# Allegro board LED_FIN.brd (continued)
## Placement (name value [footprint] x y rotation side) (continued)
D488  0603_LED  [0603_SINGLE]  51.25 360 0 top
D489  0603_LED  [0603_SINGLE]  53.25 360 0 top
D490  0603_LED  [0603_SINGLE]  55.25 360 0 top
D491  0603_LED  [0603_SINGLE]  57.25 360 0 top
D492  0603_LED  [0603_SINGLE]  59.25 360 0 top
D493  0603_LED  [0603_SINGLE]  61.25 360 0 top
D494  0603_LED  [0603_SINGLE]  63.25 360 0 top
D495  0603_LED  [0603_SINGLE]  65.25 360 0 top
D496  0603_LED  [0603_SINGLE]  67.25 360 0 top
D497  0603_LED  [0603_SINGLE]  69.25 360 0 top
D498  0603_LED  [0603_SINGLE]  71.25 360 0 top
D499  0603_LED  [0603_SINGLE]  73.25 360 0 top
D500  0603_LED  [0603_SINGLE]  75.25 360 0 top
D501  0603_LED  [0603_SINGLE]  77.25 360 0 top
D502  0603_LED  [0603_SINGLE]  79.25 360 0 top
D503  0603_LED  [0603_SINGLE]  81.25 360 0 top
D504  0603_LED  [0603_SINGLE]  83.25 360 0 top
D505  0603_LED  [0603_SINGLE]  85.25 360 0 top
D506  0603_LED  [0603_SINGLE]  87.25 360 0 top
D507  0603_LED  [0603_SINGLE]  89.25 360 0 top
D508  0603_LED  [0603_SINGLE]  91.25 360 0 top
D509  0603_LED  [0603_SINGLE]  93.25 360 0 top
D510  0603_LED  [0603_SINGLE]  95.25 360 0 top
D511  0603_LED  [0603_SINGLE]  37.25 358 0 top
D512  0603_LED  [0603_SINGLE]  39.25 358 0 top
D513  0603_LED  [0603_SINGLE]  41.25 358 0 top
D514  0603_LED  [0603_SINGLE]  43.25 358 0 top
D515  0603_LED  [0603_SINGLE]  45.25 358 0 top
D516  0603_LED  [0603_SINGLE]  47.25 358 0 top
D517  0603_LED  [0603_SINGLE]  49.25 358 0 top
D518  0603_LED  [0603_SINGLE]  51.25 358 0 top
D519  0603_LED  [0603_SINGLE]  53.25 358 0 top
D520  0603_LED  [0603_SINGLE]  55.25 358 0 top
D521  0603_LED  [0603_SINGLE]  57.25 358 0 top
D522  0603_LED  [0603_SINGLE]  59.25 358 0 top
D523  0603_LED  [0603_SINGLE]  61.25 358 0 top
D524  0603_LED  [0603_SINGLE]  63.25 358 0 top
D525  0603_LED  [0603_SINGLE]  65.25 358 0 top
D526  0603_LED  [0603_SINGLE]  67.25 358 0 top
D527  0603_LED  [0603_SINGLE]  69.25 358 0 top
D528  0603_LED  [0603_SINGLE]  71.25 358 0 top
D529  0603_LED  [0603_SINGLE]  73.25 358 0 top
D530  0603_LED  [0603_SINGLE]  75.25 358 0 top
D531  0603_LED  [0603_SINGLE]  77.25 358 0 top
D532  0603_LED  [0603_SINGLE]  79.25 358 0 top
D533  0603_LED  [0603_SINGLE]  81.25 358 0 top
D534  0603_LED  [0603_SINGLE]  83.25 358 0 top
D535  0603_LED  [0603_SINGLE]  85.25 358 0 top
D536  0603_LED  [0603_SINGLE]  87.25 358 0 top
D537  0603_LED  [0603_SINGLE]  89.25 358 0 top
D538  0603_LED  [0603_SINGLE]  91.25 358 0 top
D539  0603_LED  [0603_SINGLE]  93.25 358 0 top
D540  0603_LED  [0603_SINGLE]  95.25 358 0 top
D541  0603_LED  [0603_SINGLE]  37.25 356 0 top
D542  0603_LED  [0603_SINGLE]  39.25 356 0 top
D543  0603_LED  [0603_SINGLE]  41.25 356 0 top
D544  0603_LED  [0603_SINGLE]  43.25 356 0 top
D545  0603_LED  [0603_SINGLE]  45.25 356 0 top
D546  0603_LED  [0603_SINGLE]  47.25 356 0 top
D547  0603_LED  [0603_SINGLE]  49.25 356 0 top
D548  0603_LED  [0603_SINGLE]  51.25 356 0 top
D549  0603_LED  [0603_SINGLE]  53.25 356 0 top
D550  0603_LED  [0603_SINGLE]  55.25 356 0 top
D551  0603_LED  [0603_SINGLE]  57.25 356 0 top
D552  0603_LED  [0603_SINGLE]  59.25 356 0 top
D553  0603_LED  [0603_SINGLE]  61.25 356 0 top
D554  0603_LED  [0603_SINGLE]  63.25 356 0 top
D555  0603_LED  [0603_SINGLE]  65.25 356 0 top
D556  0603_LED  [0603_SINGLE]  67.25 356 0 top
D557  0603_LED  [0603_SINGLE]  69.25 356 0 top
D558  0603_LED  [0603_SINGLE]  71.25 356 0 top
D559  0603_LED  [0603_SINGLE]  73.25 356 0 top
D560  0603_LED  [0603_SINGLE]  75.25 356 0 top
D561  0603_LED  [0603_SINGLE]  77.25 356 0 top
D562  0603_LED  [0603_SINGLE]  79.25 356 0 top
D563  0603_LED  [0603_SINGLE]  81.25 356 0 top
D564  0603_LED  [0603_SINGLE]  83.25 356 0 top
D565  0603_LED  [0603_SINGLE]  85.25 356 0 top
D566  0603_LED  [0603_SINGLE]  87.25 356 0 top
D567  0603_LED  [0603_SINGLE]  89.25 356 0 top
D568  0603_LED  [0603_SINGLE]  91.25 356 0 top
D569  0603_LED  [0603_SINGLE]  93.25 356 0 top
D570  0603_LED  [0603_SINGLE]  95.25 356 0 top
D571  0603_LED  [0603_SINGLE]  37.25 354 0 top
D572  0603_LED  [0603_SINGLE]  39.25 354 0 top
D573  0603_LED  [0603_SINGLE]  41.25 354 0 top
D574  0603_LED  [0603_SINGLE]  43.25 354 0 top
D575  0603_LED  [0603_SINGLE]  45.25 354 0 top
D576  0603_LED  [0603_SINGLE]  47.25 354 0 top
D577  0603_LED  [0603_SINGLE]  49.25 354 0 top
D578  0603_LED  [0603_SINGLE]  51.25 354 0 top
D579  0603_LED  [0603_SINGLE]  53.25 354 0 top
D580  0603_LED  [0603_SINGLE]  55.25 354 0 top
D581  0603_LED  [0603_SINGLE]  57.25 354 0 top
D582  0603_LED  [0603_SINGLE]  59.25 354 0 top
D583  0603_LED  [0603_SINGLE]  61.25 354 0 top
D584  0603_LED  [0603_SINGLE]  63.25 354 0 top
D585  0603_LED  [0603_SINGLE]  65.25 354 0 top
D586  0603_LED  [0603_SINGLE]  67.25 354 0 top
D587  0603_LED  [0603_SINGLE]  69.25 354 0 top
D588  0603_LED  [0603_SINGLE]  71.25 354 0 top
D589  0603_LED  [0603_SINGLE]  73.25 354 0 top
D590  0603_LED  [0603_SINGLE]  75.25 354 0 top
D591  0603_LED  [0603_SINGLE]  77.25 354 0 top
D592  0603_LED  [0603_SINGLE]  79.25 354 0 top
D593  0603_LED  [0603_SINGLE]  81.25 354 0 top
D594  0603_LED  [0603_SINGLE]  83.25 354 0 top
D595  0603_LED  [0603_SINGLE]  85.25 354 0 top
D596  0603_LED  [0603_SINGLE]  87.25 354 0 top
D597  0603_LED  [0603_SINGLE]  89.25 354 0 top
D598  0603_LED  [0603_SINGLE]  91.25 354 0 top
D599  0603_LED  [0603_SINGLE]  93.25 354 0 top
D600  0603_LED  [0603_SINGLE]  95.25 354 0 top
D601  0603_LED  [0603_SINGLE]  37.25 352 0 top
D602  0603_LED  [0603_SINGLE]  39.25 352 0 top
D603  0603_LED  [0603_SINGLE]  41.25 352 0 top
D604  0603_LED  [0603_SINGLE]  43.25 352 0 top
D605  0603_LED  [0603_SINGLE]  45.25 352 0 top
D606  0603_LED  [0603_SINGLE]  47.25 352 0 top
D607  0603_LED  [0603_SINGLE]  49.25 352 0 top
D608  0603_LED  [0603_SINGLE]  51.25 352 0 top
D609  0603_LED  [0603_SINGLE]  53.25 352 0 top
D610  0603_LED  [0603_SINGLE]  55.25 352 0 top
D611  0603_LED  [0603_SINGLE]  57.25 352 0 top
D612  0603_LED  [0603_SINGLE]  59.25 352 0 top
D613  0603_LED  [0603_SINGLE]  61.25 352 0 top
D614  0603_LED  [0603_SINGLE]  63.25 352 0 top
D615  0603_LED  [0603_SINGLE]  65.25 352 0 top
D616  0603_LED  [0603_SINGLE]  67.25 352 0 top
D617  0603_LED  [0603_SINGLE]  69.25 352 0 top
D618  0603_LED  [0603_SINGLE]  71.25 352 0 top
D619  0603_LED  [0603_SINGLE]  73.25 352 0 top
D620  0603_LED  [0603_SINGLE]  75.25 352 0 top
D621  0603_LED  [0603_SINGLE]  77.25 352 0 top
D622  0603_LED  [0603_SINGLE]  79.25 352 0 top
D623  0603_LED  [0603_SINGLE]  81.25 352 0 top
D624  0603_LED  [0603_SINGLE]  83.25 352 0 top
D625  0603_LED  [0603_SINGLE]  85.25 352 0 top
D626  0603_LED  [0603_SINGLE]  87.25 352 0 top
D627  0603_LED  [0603_SINGLE]  89.25 352 0 top
D628  0603_LED  [0603_SINGLE]  91.25 352 0 top
D629  0603_LED  [0603_SINGLE]  93.25 352 0 top
D630  0603_LED  [0603_SINGLE]  95.25 352 0 top
D631  0603_LED  [0603_SINGLE]  37.25 350 0 top
D632  0603_LED  [0603_SINGLE]  39.25 350 0 top
D633  0603_LED  [0603_SINGLE]  41.25 350 0 top
D634  0603_LED  [0603_SINGLE]  43.25 350 0 top
D635  0603_LED  [0603_SINGLE]  45.25 350 0 top
D636  0603_LED  [0603_SINGLE]  47.25 350 0 top
D637  0603_LED  [0603_SINGLE]  49.25 350 0 top
D638  0603_LED  [0603_SINGLE]  51.25 350 0 top
D639  0603_LED  [0603_SINGLE]  53.25 350 0 top
D640  0603_LED  [0603_SINGLE]  55.25 350 0 top
D641  0603_LED  [0603_SINGLE]  57.25 350 0 top
D642  0603_LED  [0603_SINGLE]  59.25 350 0 top
D643  0603_LED  [0603_SINGLE]  61.25 350 0 top
D644  0603_LED  [0603_SINGLE]  63.25 350 0 top
D645  0603_LED  [0603_SINGLE]  65.25 350 0 top
D646  0603_LED  [0603_SINGLE]  67.25 350 0 top
D647  0603_LED  [0603_SINGLE]  69.25 350 0 top
D648  0603_LED  [0603_SINGLE]  71.25 350 0 top
D649  0603_LED  [0603_SINGLE]  73.25 350 0 top
D650  0603_LED  [0603_SINGLE]  75.25 350 0 top
D651  0603_LED  [0603_SINGLE]  77.25 350 0 top
D652  0603_LED  [0603_SINGLE]  79.25 350 0 top
D653  0603_LED  [0603_SINGLE]  81.25 350 0 top
D654  0603_LED  [0603_SINGLE]  83.25 350 0 top
D655  0603_LED  [0603_SINGLE]  85.25 350 0 top
D656  0603_LED  [0603_SINGLE]  87.25 350 0 top
D657  0603_LED  [0603_SINGLE]  89.25 350 0 top
D658  0603_LED  [0603_SINGLE]  91.25 350 0 top
D659  0603_LED  [0603_SINGLE]  93.25 350 0 top
D660  0603_LED  [0603_SINGLE]  95.25 350 0 top
D661  0603_LED  [0603_SINGLE]  37.25 348 0 top
D662  0603_LED  [0603_SINGLE]  39.25 348 0 top
D663  0603_LED  [0603_SINGLE]  41.25 348 0 top
D664  0603_LED  [0603_SINGLE]  43.25 348 0 top
D665  0603_LED  [0603_SINGLE]  45.25 348 0 top
D666  0603_LED  [0603_SINGLE]  47.25 348 0 top
D667  0603_LED  [0603_SINGLE]  49.25 348 0 top
D668  0603_LED  [0603_SINGLE]  51.25 348 0 top
D669  0603_LED  [0603_SINGLE]  53.25 348 0 top
D670  0603_LED  [0603_SINGLE]  55.25 348 0 top
D671  0603_LED  [0603_SINGLE]  57.25 348 0 top
D672  0603_LED  [0603_SINGLE]  59.25 348 0 top
D673  0603_LED  [0603_SINGLE]  61.25 348 0 top
D674  0603_LED  [0603_SINGLE]  63.25 348 0 top
D675  0603_LED  [0603_SINGLE]  65.25 348 0 top
D676  0603_LED  [0603_SINGLE]  67.25 348 0 top
D677  0603_LED  [0603_SINGLE]  69.25 348 0 top
D678  0603_LED  [0603_SINGLE]  71.25 348 0 top
D679  0603_LED  [0603_SINGLE]  73.25 348 0 top
D680  0603_LED  [0603_SINGLE]  75.25 348 0 top
D681  0603_LED  [0603_SINGLE]  77.25 348 0 top
D682  0603_LED  [0603_SINGLE]  79.25 348 0 top
D683  0603_LED  [0603_SINGLE]  81.25 348 0 top
D684  0603_LED  [0603_SINGLE]  83.25 348 0 top
D685  0603_LED  [0603_SINGLE]  85.25 348 0 top
D686  0603_LED  [0603_SINGLE]  87.25 348 0 top
D687  0603_LED  [0603_SINGLE]  89.25 348 0 top
D688  0603_LED  [0603_SINGLE]  91.25 348 0 top
D689  0603_LED  [0603_SINGLE]  93.25 348 0 top
D690  0603_LED  [0603_SINGLE]  95.25 348 0 top
D691  0603_LED  [0603_SINGLE]  37.25 346 0 top
D692  0603_LED  [0603_SINGLE]  39.25 346 0 top
D693  0603_LED  [0603_SINGLE]  41.25 346 0 top
D694  0603_LED  [0603_SINGLE]  43.25 346 0 top
D695  0603_LED  [0603_SINGLE]  45.25 346 0 top
D696  0603_LED  [0603_SINGLE]  47.25 346 0 top
D697  0603_LED  [0603_SINGLE]  49.25 346 0 top
D698  0603_LED  [0603_SINGLE]  51.25 346 0 top
D699  0603_LED  [0603_SINGLE]  53.25 346 0 top
D700  0603_LED  [0603_SINGLE]  55.25 346 0 top
D701  0603_LED  [0603_SINGLE]  57.25 346 0 top
D702  0603_LED  [0603_SINGLE]  59.25 346 0 top
D703  0603_LED  [0603_SINGLE]  61.25 346 0 top
D704  0603_LED  [0603_SINGLE]  63.25 346 0 top
D705  0603_LED  [0603_SINGLE]  65.25 346 0 top
D706  0603_LED  [0603_SINGLE]  67.25 346 0 top
D707  0603_LED  [0603_SINGLE]  69.25 346 0 top
D708  0603_LED  [0603_SINGLE]  71.25 346 0 top
D709  0603_LED  [0603_SINGLE]  73.25 346 0 top
D710  0603_LED  [0603_SINGLE]  75.25 346 0 top
D711  0603_LED  [0603_SINGLE]  77.25 346 0 top
D712  0603_LED  [0603_SINGLE]  79.25 346 0 top
D713  0603_LED  [0603_SINGLE]  81.25 346 0 top
D714  0603_LED  [0603_SINGLE]  83.25 346 0 top
D715  0603_LED  [0603_SINGLE]  85.25 346 0 top
D716  0603_LED  [0603_SINGLE]  87.25 346 0 top
D717  0603_LED  [0603_SINGLE]  89.25 346 0 top
D718  0603_LED  [0603_SINGLE]  91.25 346 0 top
D719  0603_LED  [0603_SINGLE]  93.25 346 0 top
D720  0603_LED  [0603_SINGLE]  95.25 346 0 top
D721  0603_LED  [0603_SINGLE]  37.25 344 0 top
D722  0603_LED  [0603_SINGLE]  39.25 344 0 top
D723  0603_LED  [0603_SINGLE]  41.25 344 0 top
D724  0603_LED  [0603_SINGLE]  43.25 344 0 top
D725  0603_LED  [0603_SINGLE]  45.25 344 0 top
D726  0603_LED  [0603_SINGLE]  47.25 344 0 top
D727  0603_LED  [0603_SINGLE]  49.25 344 0 top
D728  0603_LED  [0603_SINGLE]  51.25 344 0 top
D729  0603_LED  [0603_SINGLE]  53.25 344 0 top
D730  0603_LED  [0603_SINGLE]  55.25 344 0 top
D731  0603_LED  [0603_SINGLE]  57.25 344 0 top
D732  0603_LED  [0603_SINGLE]  59.25 344 0 top
D733  0603_LED  [0603_SINGLE]  61.25 344 0 top
D734  0603_LED  [0603_SINGLE]  63.25 344 0 top
D735  0603_LED  [0603_SINGLE]  65.25 344 0 top
D736  0603_LED  [0603_SINGLE]  67.25 344 0 top
D737  0603_LED  [0603_SINGLE]  69.25 344 0 top
D738  0603_LED  [0603_SINGLE]  71.25 344 0 top
D739  0603_LED  [0603_SINGLE]  73.25 344 0 top
D740  0603_LED  [0603_SINGLE]  75.25 344 0 top
D741  0603_LED  [0603_SINGLE]  77.25 344 0 top
D742  0603_LED  [0603_SINGLE]  79.25 344 0 top
D743  0603_LED  [0603_SINGLE]  81.25 344 0 top
D744  0603_LED  [0603_SINGLE]  83.25 344 0 top
D745  0603_LED  [0603_SINGLE]  85.25 344 0 top
D746  0603_LED  [0603_SINGLE]  87.25 344 0 top
D747  0603_LED  [0603_SINGLE]  89.25 344 0 top
D748  0603_LED  [0603_SINGLE]  91.25 344 0 top
D749  0603_LED  [0603_SINGLE]  93.25 344 0 top
D750  0603_LED  [0603_SINGLE]  95.25 344 0 top
D751  0603_LED  [0603_SINGLE]  37.25 342 0 top
D752  0603_LED  [0603_SINGLE]  39.25 342 0 top
D753  0603_LED  [0603_SINGLE]  41.25 342 0 top
D754  0603_LED  [0603_SINGLE]  43.25 342 0 top
D755  0603_LED  [0603_SINGLE]  45.25 342 0 top
D756  0603_LED  [0603_SINGLE]  47.25 342 0 top
D757  0603_LED  [0603_SINGLE]  49.25 342 0 top
D758  0603_LED  [0603_SINGLE]  51.25 342 0 top
D759  0603_LED  [0603_SINGLE]  53.25 342 0 top
D760  0603_LED  [0603_SINGLE]  55.25 342 0 top
D761  0603_LED  [0603_SINGLE]  57.25 342 0 top
D762  0603_LED  [0603_SINGLE]  59.25 342 0 top
D763  0603_LED  [0603_SINGLE]  61.25 342 0 top
D764  0603_LED  [0603_SINGLE]  63.25 342 0 top
D765  0603_LED  [0603_SINGLE]  65.25 342 0 top
D766  0603_LED  [0603_SINGLE]  67.25 342 0 top
D767  0603_LED  [0603_SINGLE]  69.25 342 0 top
D768  0603_LED  [0603_SINGLE]  71.25 342 0 top
D769  0603_LED  [0603_SINGLE]  73.25 342 0 top
D770  0603_LED  [0603_SINGLE]  75.25 342 0 top
D771  0603_LED  [0603_SINGLE]  77.25 342 0 top
D772  0603_LED  [0603_SINGLE]  79.25 342 0 top
D773  0603_LED  [0603_SINGLE]  81.25 342 0 top
D774  0603_LED  [0603_SINGLE]  83.25 342 0 top
D775  0603_LED  [0603_SINGLE]  85.25 342 0 top
D776  0603_LED  [0603_SINGLE]  87.25 342 0 top
D777  0603_LED  [0603_SINGLE]  89.25 342 0 top
D778  0603_LED  [0603_SINGLE]  91.25 342 0 top
D779  0603_LED  [0603_SINGLE]  93.25 342 0 top
D780  0603_LED  [0603_SINGLE]  95.25 342 0 top
D781  0603_LED  [0603_SINGLE]  37.25 340 0 top
D782  0603_LED  [0603_SINGLE]  39.25 340 0 top
D783  0603_LED  [0603_SINGLE]  41.25 340 0 top
D784  0603_LED  [0603_SINGLE]  43.25 340 0 top
D785  0603_LED  [0603_SINGLE]  45.25 340 0 top
D786  0603_LED  [0603_SINGLE]  47.25 340 0 top
D787  0603_LED  [0603_SINGLE]  49.25 340 0 top
D788  0603_LED  [0603_SINGLE]  51.25 340 0 top
D789  0603_LED  [0603_SINGLE]  53.25 340 0 top
D790  0603_LED  [0603_SINGLE]  55.25 340 0 top
D791  0603_LED  [0603_SINGLE]  57.25 340 0 top
D792  0603_LED  [0603_SINGLE]  59.25 340 0 top
D793  0603_LED  [0603_SINGLE]  61.25 340 0 top
D794  0603_LED  [0603_SINGLE]  63.25 340 0 top
D795  0603_LED  [0603_SINGLE]  65.25 340 0 top
D796  0603_LED  [0603_SINGLE]  67.25 340 0 top
D797  0603_LED  [0603_SINGLE]  69.25 340 0 top
D798  0603_LED  [0603_SINGLE]  71.25 340 0 top
D799  0603_LED  [0603_SINGLE]  73.25 340 0 top
D800  0603_LED  [0603_SINGLE]  75.25 340 0 top
D801  0603_LED  [0603_SINGLE]  77.25 340 0 top
D802  0603_LED  [0603_SINGLE]  79.25 340 0 top
D803  0603_LED  [0603_SINGLE]  81.25 340 0 top
D804  0603_LED  [0603_SINGLE]  83.25 340 0 top
D805  0603_LED  [0603_SINGLE]  85.25 340 0 top
D806  0603_LED  [0603_SINGLE]  87.25 340 0 top
D807  0603_LED  [0603_SINGLE]  89.25 340 0 top
D808  0603_LED  [0603_SINGLE]  91.25 340 0 top
D809  0603_LED  [0603_SINGLE]  93.25 340 0 top
D810  0603_LED  [0603_SINGLE]  95.25 340 0 top
D811  0603_LED  [0603_SINGLE]  37.25 338 0 top
D812  0603_LED  [0603_SINGLE]  39.25 338 0 top
D813  0603_LED  [0603_SINGLE]  41.25 338 0 top
D814  0603_LED  [0603_SINGLE]  43.25 338 0 top
D815  0603_LED  [0603_SINGLE]  45.25 338 0 top
D816  0603_LED  [0603_SINGLE]  47.25 338 0 top
D817  0603_LED  [0603_SINGLE]  49.25 338 0 top
D818  0603_LED  [0603_SINGLE]  51.25 338 0 top
D819  0603_LED  [0603_SINGLE]  53.25 338 0 top
D820  0603_LED  [0603_SINGLE]  55.25 338 0 top
D821  0603_LED  [0603_SINGLE]  57.25 338 0 top
D822  0603_LED  [0603_SINGLE]  59.25 338 0 top
D823  0603_LED  [0603_SINGLE]  61.25 338 0 top
D824  0603_LED  [0603_SINGLE]  63.25 338 0 top
D825  0603_LED  [0603_SINGLE]  65.25 338 0 top
D826  0603_LED  [0603_SINGLE]  67.25 338 0 top
D827  0603_LED  [0603_SINGLE]  69.25 338 0 top
D828  0603_LED  [0603_SINGLE]  71.25 338 0 top
D829  0603_LED  [0603_SINGLE]  73.25 338 0 top
D830  0603_LED  [0603_SINGLE]  75.25 338 0 top
D831  0603_LED  [0603_SINGLE]  77.25 338 0 top
D832  0603_LED  [0603_SINGLE]  79.25 338 0 top
D833  0603_LED  [0603_SINGLE]  81.25 338 0 top
D834  0603_LED  [0603_SINGLE]  83.25 338 0 top
D835  0603_LED  [0603_SINGLE]  85.25 338 0 top
D836  0603_LED  [0603_SINGLE]  87.25 338 0 top
D837  0603_LED  [0603_SINGLE]  89.25 338 0 top
D838  0603_LED  [0603_SINGLE]  91.25 338 0 top
D839  0603_LED  [0603_SINGLE]  93.25 338 0 top
D840  0603_LED  [0603_SINGLE]  95.25 338 0 top
D841  0603_LED  [0603_SINGLE]  37.25 336 0 top
D842  0603_LED  [0603_SINGLE]  39.25 336 0 top
D843  0603_LED  [0603_SINGLE]  41.25 336 0 top
D844  0603_LED  [0603_SINGLE]  43.25 336 0 top
D845  0603_LED  [0603_SINGLE]  45.25 336 0 top
D846  0603_LED  [0603_SINGLE]  47.25 336 0 top
D847  0603_LED  [0603_SINGLE]  49.25 336 0 top
D848  0603_LED  [0603_SINGLE]  51.25 336 0 top
D849  0603_LED  [0603_SINGLE]  53.25 336 0 top
D850  0603_LED  [0603_SINGLE]  55.25 336 0 top
D851  0603_LED  [0603_SINGLE]  57.25 336 0 top
D852  0603_LED  [0603_SINGLE]  59.25 336 0 top
D853  0603_LED  [0603_SINGLE]  61.25 336 0 top
D854  0603_LED  [0603_SINGLE]  63.25 336 0 top
D855  0603_LED  [0603_SINGLE]  65.25 336 0 top
D856  0603_LED  [0603_SINGLE]  67.25 336 0 top
D857  0603_LED  [0603_SINGLE]  69.25 336 0 top
D858  0603_LED  [0603_SINGLE]  71.25 336 0 top
D859  0603_LED  [0603_SINGLE]  73.25 336 0 top
D860  0603_LED  [0603_SINGLE]  75.25 336 0 top
D861  0603_LED  [0603_SINGLE]  77.25 336 0 top
D862  0603_LED  [0603_SINGLE]  79.25 336 0 top
D863  0603_LED  [0603_SINGLE]  81.25 336 0 top
D864  0603_LED  [0603_SINGLE]  83.25 336 0 top
D865  0603_LED  [0603_SINGLE]  85.25 336 0 top
D866  0603_LED  [0603_SINGLE]  87.25 336 0 top
D867  0603_LED  [0603_SINGLE]  89.25 336 0 top
D868  0603_LED  [0603_SINGLE]  91.25 336 0 top
D869  0603_LED  [0603_SINGLE]  93.25 336 0 top
D870  0603_LED  [0603_SINGLE]  95.25 336 0 top
D871  0603_LED  [0603_SINGLE]  37.25 334 0 top
D872  0603_LED  [0603_SINGLE]  39.25 334 0 top
D873  0603_LED  [0603_SINGLE]  41.25 334 0 top
D874  0603_LED  [0603_SINGLE]  43.25 334 0 top
D875  0603_LED  [0603_SINGLE]  45.25 334 0 top
D876  0603_LED  [0603_SINGLE]  47.25 334 0 top
D877  0603_LED  [0603_SINGLE]  49.25 334 0 top
D878  0603_LED  [0603_SINGLE]  51.25 334 0 top
D879  0603_LED  [0603_SINGLE]  53.25 334 0 top
D880  0603_LED  [0603_SINGLE]  55.25 334 0 top
D881  0603_LED  [0603_SINGLE]  57.25 334 0 top
D882  0603_LED  [0603_SINGLE]  59.25 334 0 top
D883  0603_LED  [0603_SINGLE]  61.25 334 0 top
D884  0603_LED  [0603_SINGLE]  63.25 334 0 top
D885  0603_LED  [0603_SINGLE]  65.25 334 0 top
D886  0603_LED  [0603_SINGLE]  67.25 334 0 top
D887  0603_LED  [0603_SINGLE]  69.25 334 0 top
D888  0603_LED  [0603_SINGLE]  71.25 334 0 top
D889  0603_LED  [0603_SINGLE]  73.25 334 0 top
D890  0603_LED  [0603_SINGLE]  75.25 334 0 top
D891  0603_LED  [0603_SINGLE]  77.25 334 0 top
D892  0603_LED  [0603_SINGLE]  79.25 334 0 top
D893  0603_LED  [0603_SINGLE]  81.25 334 0 top
D894  0603_LED  [0603_SINGLE]  83.25 334 0 top
D895  0603_LED  [0603_SINGLE]  85.25 334 0 top
D896  0603_LED  [0603_SINGLE]  87.25 334 0 top
D897  0603_LED  [0603_SINGLE]  89.25 334 0 top
D898  0603_LED  [0603_SINGLE]  91.25 334 0 top
D899  0603_LED  [0603_SINGLE]  93.25 334 0 top
D900  0603_LED  [0603_SINGLE]  95.25 334 0 top
D901  0603_LED  [0603_SINGLE]  37.25 332 0 top
D902  0603_LED  [0603_SINGLE]  39.25 332 0 top
D903  0603_LED  [0603_SINGLE]  41.25 332 0 top
D904  0603_LED  [0603_SINGLE]  43.25 332 0 top
D905  0603_LED  [0603_SINGLE]  45.25 332 0 top
D906  0603_LED  [0603_SINGLE]  47.25 332 0 top
D907  0603_LED  [0603_SINGLE]  49.25 332 0 top
D908  0603_LED  [0603_SINGLE]  51.25 332 0 top
D909  0603_LED  [0603_SINGLE]  53.25 332 0 top
D910  0603_LED  [0603_SINGLE]  55.25 332 0 top
D911  0603_LED  [0603_SINGLE]  57.25 332 0 top
D912  0603_LED  [0603_SINGLE]  59.25 332 0 top
D913  0603_LED  [0603_SINGLE]  61.25 332 0 top
D914  0603_LED  [0603_SINGLE]  63.25 332 0 top
D915  0603_LED  [0603_SINGLE]  65.25 332 0 top
D916  0603_LED  [0603_SINGLE]  67.25 332 0 top
D917  0603_LED  [0603_SINGLE]  69.25 332 0 top
D918  0603_LED  [0603_SINGLE]  71.25 332 0 top
D919  0603_LED  [0603_SINGLE]  73.25 332 0 top
D920  0603_LED  [0603_SINGLE]  75.25 332 0 top
D921  0603_LED  [0603_SINGLE]  77.25 332 0 top
D922  0603_LED  [0603_SINGLE]  79.25 332 0 top
D923  0603_LED  [0603_SINGLE]  81.25 332 0 top
D924  0603_LED  [0603_SINGLE]  83.25 332 0 top
D925  0603_LED  [0603_SINGLE]  85.25 332 0 top
D926  0603_LED  [0603_SINGLE]  87.25 332 0 top
D927  0603_LED  [0603_SINGLE]  89.25 332 0 top
D928  0603_LED  [0603_SINGLE]  91.25 332 0 top
D929  0603_LED  [0603_SINGLE]  93.25 332 0 top
D930  0603_LED  [0603_SINGLE]  95.25 332 0 top
D931  0603_LED  [0603_SINGLE]  37.25 330 0 top
D932  0603_LED  [0603_SINGLE]  39.25 330 0 top
D933  0603_LED  [0603_SINGLE]  41.25 330 0 top
D934  0603_LED  [0603_SINGLE]  43.25 330 0 top
D935  0603_LED  [0603_SINGLE]  45.25 330 0 top
D936  0603_LED  [0603_SINGLE]  47.25 330 0 top
D937  0603_LED  [0603_SINGLE]  49.25 330 0 top
D938  0603_LED  [0603_SINGLE]  51.25 330 0 top
D939  0603_LED  [0603_SINGLE]  53.25 330 0 top
D940  0603_LED  [0603_SINGLE]  55.25 330 0 top
D941  0603_LED  [0603_SINGLE]  57.25 330 0 top
D942  0603_LED  [0603_SINGLE]  59.25 330 0 top
D943  0603_LED  [0603_SINGLE]  61.25 330 0 top
D944  0603_LED  [0603_SINGLE]  63.25 330 0 top
D945  0603_LED  [0603_SINGLE]  65.25 330 0 top
D946  0603_LED  [0603_SINGLE]  67.25 330 0 top
D947  0603_LED  [0603_SINGLE]  69.25 330 0 top
D948  0603_LED  [0603_SINGLE]  71.25 330 0 top
D949  0603_LED  [0603_SINGLE]  73.25 330 0 top
D950  0603_LED  [0603_SINGLE]  75.25 330 0 top
D951  0603_LED  [0603_SINGLE]  77.25 330 0 top
D952  0603_LED  [0603_SINGLE]  79.25 330 0 top
D953  0603_LED  [0603_SINGLE]  81.25 330 0 top
D954  0603_LED  [0603_SINGLE]  83.25 330 0 top
D955  0603_LED  [0603_SINGLE]  85.25 330 0 top
D956  0603_LED  [0603_SINGLE]  87.25 330 0 top
D957  0603_LED  [0603_SINGLE]  89.25 330 0 top
D958  0603_LED  [0603_SINGLE]  91.25 330 0 top
D959  0603_LED  [0603_SINGLE]  93.25 330 0 top
D960  0603_LED  [0603_SINGLE]  95.25 330 0 top
D961  0603_LED  [0603_SINGLE]  37.25 328 0 top
D962  0603_LED  [0603_SINGLE]  39.25 328 0 top
D963  0603_LED  [0603_SINGLE]  41.25 328 0 top
D964  0603_LED  [0603_SINGLE]  43.25 328 0 top
D965  0603_LED  [0603_SINGLE]  45.25 328 0 top
D966  0603_LED  [0603_SINGLE]  47.25 328 0 top
D967  0603_LED  [0603_SINGLE]  49.25 328 0 top
D968  0603_LED  [0603_SINGLE]  51.25 328 0 top
D969  0603_LED  [0603_SINGLE]  53.25 328 0 top
D970  0603_LED  [0603_SINGLE]  55.25 328 0 top
D971  0603_LED  [0603_SINGLE]  57.25 328 0 top
D972  0603_LED  [0603_SINGLE]  59.25 328 0 top
D973  0603_LED  [0603_SINGLE]  61.25 328 0 top
D974  0603_LED  [0603_SINGLE]  63.25 328 0 top
D975  0603_LED  [0603_SINGLE]  65.25 328 0 top
D976  0603_LED  [0603_SINGLE]  67.25 328 0 top
D977  0603_LED  [0603_SINGLE]  69.25 328 0 top
D978  0603_LED  [0603_SINGLE]  71.25 328 0 top
D979  0603_LED  [0603_SINGLE]  73.25 328 0 top
D980  0603_LED  [0603_SINGLE]  75.25 328 0 top
D981  0603_LED  [0603_SINGLE]  77.25 328 0 top
D982  0603_LED  [0603_SINGLE]  79.25 328 0 top
D983  0603_LED  [0603_SINGLE]  81.25 328 0 top
D984  0603_LED  [0603_SINGLE]  83.25 328 0 top
D985  0603_LED  [0603_SINGLE]  85.25 328 0 top
D986  0603_LED  [0603_SINGLE]  87.25 328 0 top
D987  0603_LED  [0603_SINGLE]  89.25 328 0 top
D988  0603_LED  [0603_SINGLE]  91.25 328 0 top
D989  0603_LED  [0603_SINGLE]  93.25 328 0 top
D990  0603_LED  [0603_SINGLE]  95.25 328 0 top
D991  0603_LED  [0603_SINGLE]  37.25 326 0 top
D992  0603_LED  [0603_SINGLE]  39.25 326 0 top
D993  0603_LED  [0603_SINGLE]  41.25 326 0 top
D994  0603_LED  [0603_SINGLE]  43.25 326 0 top
D995  0603_LED  [0603_SINGLE]  45.25 326 0 top
D996  0603_LED  [0603_SINGLE]  47.25 326 0 top
D997  0603_LED  [0603_SINGLE]  49.25 326 0 top
D998  0603_LED  [0603_SINGLE]  51.25 326 0 top
D999  0603_LED  [0603_SINGLE]  53.25 326 0 top
D1000  0603_LED  [0603_SINGLE]  55.25 326 0 top
D1001  0603_LED  [0603_SINGLE]  57.25 326 0 top
D1002  0603_LED  [0603_SINGLE]  59.25 326 0 top
D1003  0603_LED  [0603_SINGLE]  61.25 326 0 top
D1004  0603_LED  [0603_SINGLE]  63.25 326 0 top
D1005  0603_LED  [0603_SINGLE]  65.25 326 0 top
D1006  0603_LED  [0603_SINGLE]  67.25 326 0 top
D1007  0603_LED  [0603_SINGLE]  69.25 326 0 top
D1008  0603_LED  [0603_SINGLE]  71.25 326 0 top
D1009  0603_LED  [0603_SINGLE]  73.25 326 0 top
D1010  0603_LED  [0603_SINGLE]  75.25 326 0 top
D1011  0603_LED  [0603_SINGLE]  77.25 326 0 top
D1012  0603_LED  [0603_SINGLE]  79.25 326 0 top
D1013  0603_LED  [0603_SINGLE]  81.25 326 0 top
D1014  0603_LED  [0603_SINGLE]  83.25 326 0 top
D1015  0603_LED  [0603_SINGLE]  85.25 326 0 top
D1016  0603_LED  [0603_SINGLE]  87.25 326 0 top
D1017  0603_LED  [0603_SINGLE]  89.25 326 0 top
D1018  0603_LED  [0603_SINGLE]  91.25 326 0 top
